# KiCad board mainPCB.kicad_pcb (continued)
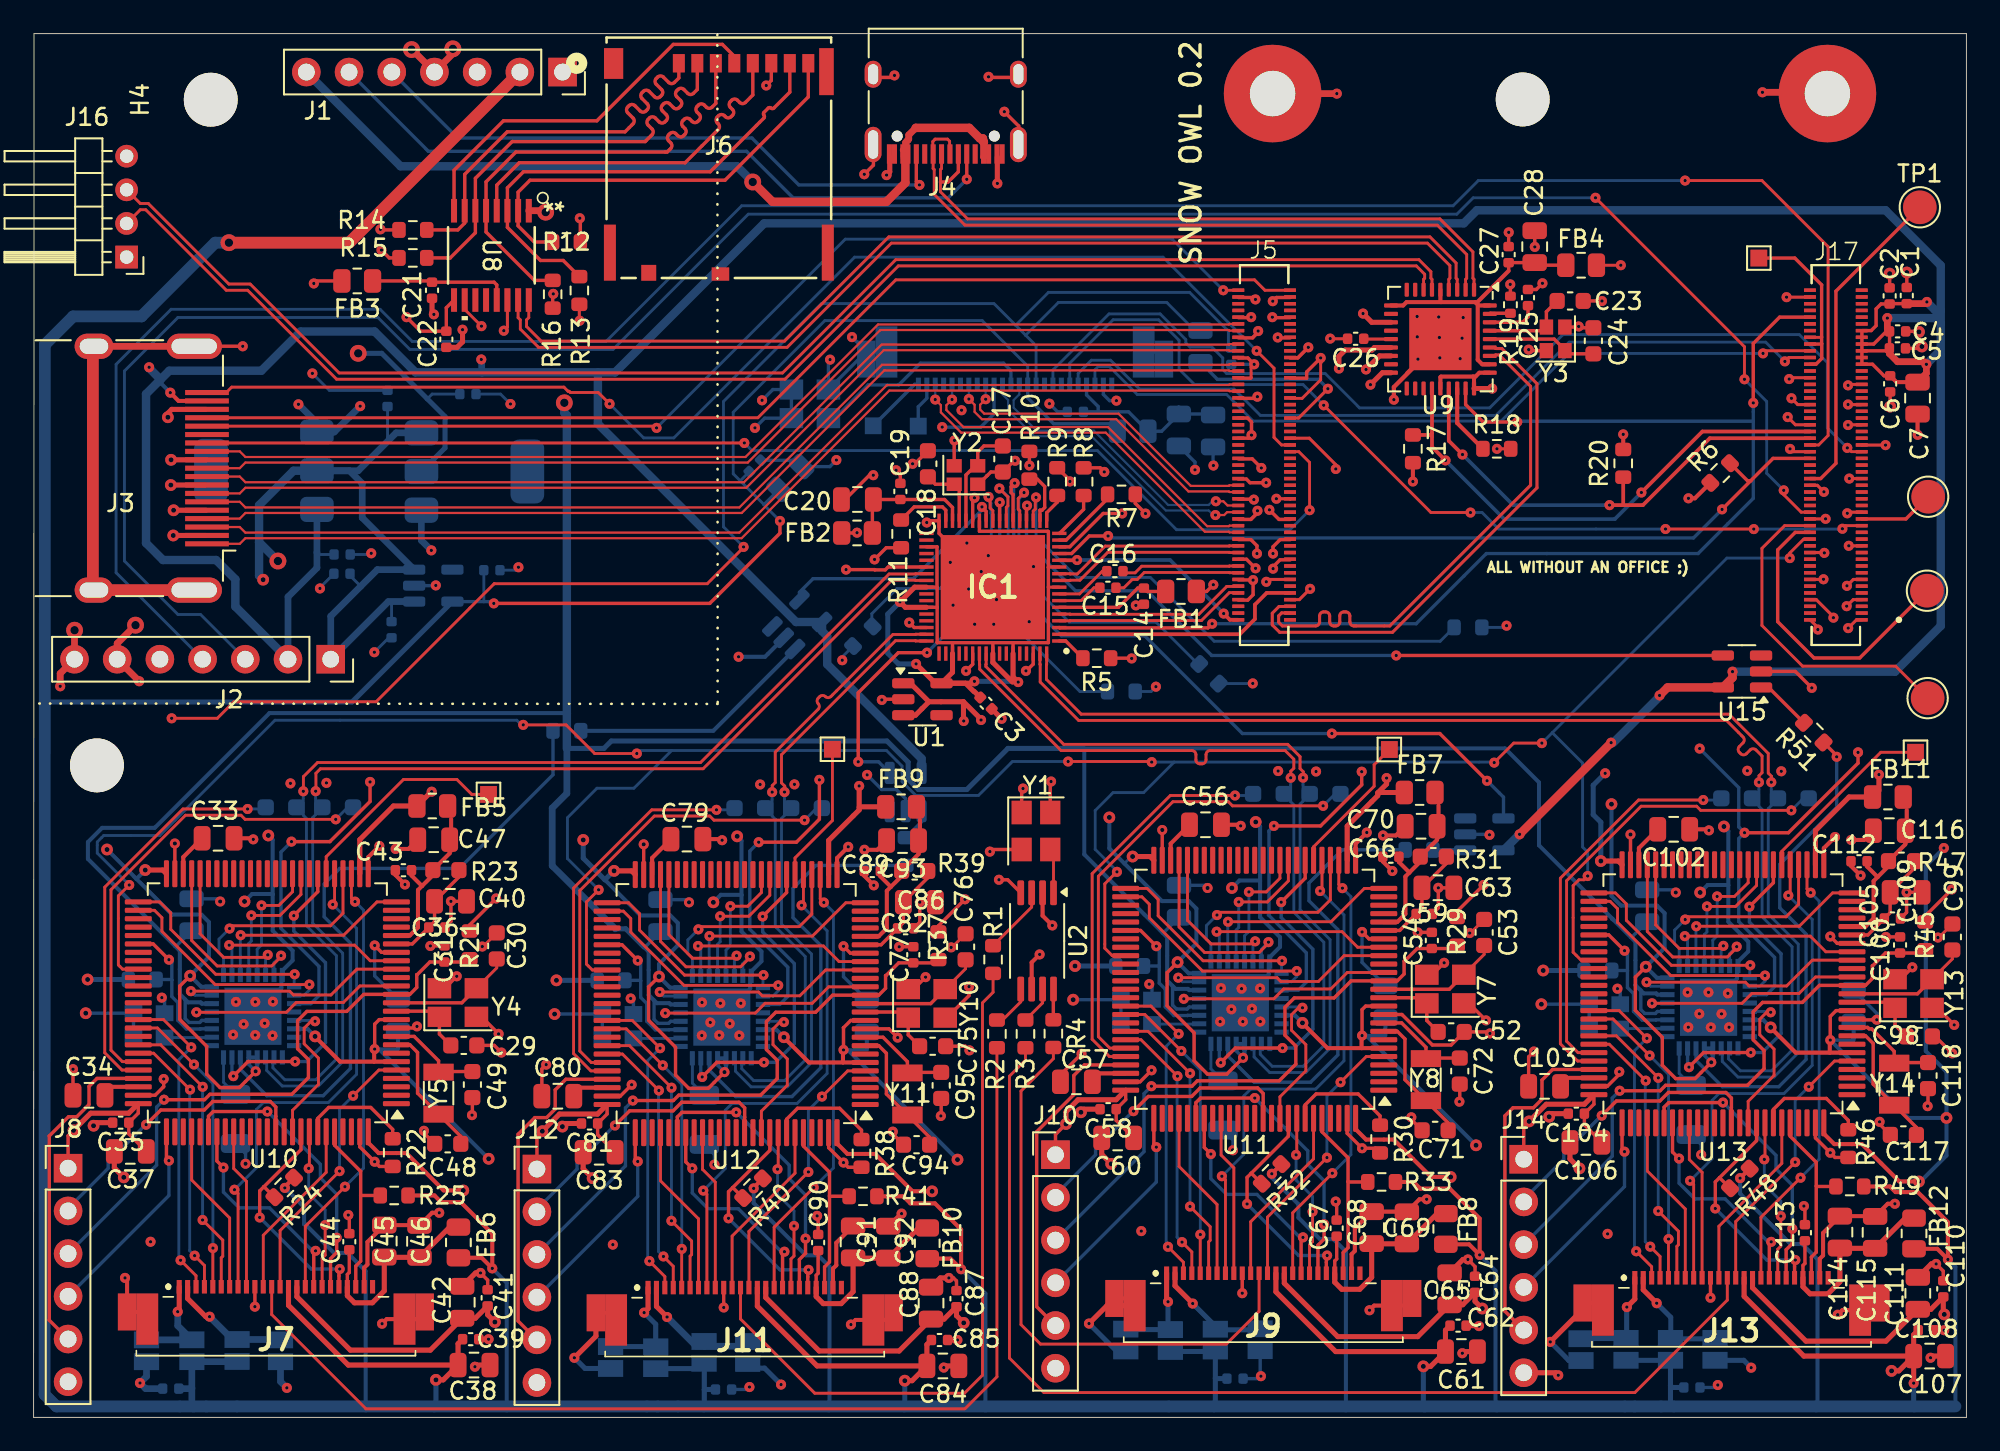
[diagram p0: board, top side]
## Routing (per net, layer and track width the routed paths; a pad name or vN(x,y) marks a point on that pad's centre or on a via; arc(x,y) is an arc through that point) (continued)
  B.Cu Signal w0.17: v1(104.54,36.11) 105.26,36.82 R56.1
/stm-camera3/cam_SCL: length 14.1
  F.Cu Signal w0.2: U13.92 102.48,16.46 100.27,14.25 ; 100.27,14.25 100.28,14.25 R48.2 ; 100.27,14.25 100.02,14 v1(100.02,12.42) ; J13.20 104.74,9.31 v1(104.78,9.36)
  B.Cu Signal w0.2: v1(100.02,12.42) 103.09,9.36 v1(104.78,9.36)
/stm-camera3/cam_SDA: length 11.2
  F.Cu Signal w0.2: R49.2 106.05,13.73 106.03,13.75 ; J13.22 105.74,9.53 106.03,9.83 106.03,13.75 ; 106.03,13.75 106.03,15.17 104.48,16.72 U13.96
/stm-camera3/HSYNC: length 26.3
  F.Cu Signal w0.17: J13.16 102.74,11.9 v1(105.09,14.25) ; v1(105.69,31.21) 105.48,31.42 U13.28
  B.Cu Signal w0.17: v1(105.09,14.25) 106.2,15.36 106.2,30.7 v1(105.69,31.21)
/stm-camera3/PCLK: length 30.6
  F.Cu Signal w0.17: v1(104.37,31.04) 104.48,31.15 U13.30 ; J13.8 98.74,13.86 v1(98.52,14.07)
  B.Cu Signal w0.17: v1(104.37,31.04) 105.78,29.62 105.78,20.94 104.1,19.26 100.24,19.26 99.83,18.85 99.83,15.38 v1(98.52,14.07)
/stm-camera3/PHY-RESETB: length 9.2
  F.Cu Signal w0.2: U13.56 93.69,28.69 v1(94.62,27.76)
  B.Cu Signal w0.2: IC5.27 96.49,23.64 96.48,23.63 95.67,23.63 95.16,24.14 95.16,25.2 94.8,25.56 94.8,26.55 ; 94.8,26.55 94.77,26.58 R50.1 ; 94.8,26.55 94.8,27.58 v1(94.62,27.76)
/stm-camera3/PWDN: length 12.9
  F.Cu Signal w0.2: U13.82 97.48,15.78 v1(97.87,15.39) ; J13.17 103.24,10.33 v1(103.35,10.44)
  B.Cu Signal w0.2: v1(97.87,15.39) 97.87,13.93 98.81,12.99 100.61,12.99 103.16,10.44 v1(103.35,10.44)
/stm-camera3/RST: length 16.8
  F.Cu Signal w0.2: J13.19 104.24,9.97 104.6,10.34 v1(104.6,11.22) ; v1(100.48,18.73) 97.25,18.73 96.98,18.45 U13.81
  B.Cu Signal w0.2: v1(100.48,18.73) 100.49,18.73 103.63,15.58 103.63,14.78 104.6,13.81 v1(104.6,11.22)
/stm-camera3/STM_RST: length 36.5
  F.Cu Signal w0.2: v1(94.33,19.43) 96.74,19.43 97.06,19.75 101.93,19.75 102.92,20.74 102.92,21.82 102.28,22.46 102.28,24.13 102.83,24.68 105.2,24.68 106.21,25.69 U13.14 108.95,25.69 109.36,26.1 109.36,26.86 109.39,26.86 110.14,27.62 C100.1 112.31,27.62 R45.2
  B.Cu Signal w0.2: v1(94.33,19.43) 93.89,18.99 93.89,15.54 J14.3
/stm-camera3/STMPHY_CLKOUT: length 12.9
  F.Cu Signal w0.17: v1(98.23,29.61) 98.39,29.77 104.23,29.77 104.98,30.52 U13.29
  B.Cu Signal w0.17: IC5.1 97.87,27.9 97.6,28.17 97.6,28.98 v1(98.23,29.61)
  B.Cu Signal w0.2: IC5.1 97.87,27.12
/stm-camera3/STMPHY_D0: length 12.5
  F.Cu Signal w0.17: v1(98.89,29.21) 105.01,29.21 107,31.19 U13.25
  F.Cu Signal w0.2: 98.94,29.26 v1(98.89,29.21)
  B.Cu Signal w0.17: IC5.3 98.87,29.19 v1(98.89,29.21)
/stm-camera3/STMPHY_D1: length 8.3
  F.Cu Signal w0.17: U13.34 102.48,31.64 101.23,30.39 v1(99.53,30.39)
  B.Cu Signal w0.17: v1(99.53,30.39) 99.53,28.87 99.37,28.72 IC5.4
/stm-camera3/STMPHY_D2: length 7.5
  F.Cu Signal w0.17: U13.35 101.98,31.8 101.16,30.99 v1(100.13,30.99)
  B.Cu Signal w0.17: v1(100.13,30.99) 100.13,28.64 99.87,28.38 IC5.5
/stm-camera3/STMPHY_D3: length 9.5
  F.Cu Signal w0.17: U13.46 96.48,29.29 97.88,27.89 100.35,27.89 v1(100.5,28.05)
  F.Cu Signal w0.2: 100.5,28.04 v1(100.5,28.05)
  B.Cu Signal w0.17: IC5.6 100.37,27.92 v1(100.5,28.05)
/stm-camera3/STMPHY_D4: length 11.5
  F.Cu Signal w0.17: v1(101.29,28) 101.29,27.94 100.74,27.38 97.49,27.38 95.98,28.9 U13.47
  B.Cu Signal w0.17: v1(101.29,28) 100.87,27.58 IC5.7
/stm-camera3/STMPHY_D5: length 12.7
  F.Cu Signal w0.17: v1(102.1,26.89) 97.41,26.89 94.73,29.56 94.73,30.54 94.08,31.19 U13.51
  B.Cu Signal w0.17: IC5.9 102.07,26.86 v1(102.1,26.89)
  B.Cu Signal w0.2: IC5.9 102.35,26.14
/stm-camera3/STMPHY_D6: length 14.1
  F.Cu Signal w0.17: U13.52 93.77,30.69 94.21,30.25 94.21,29.44 97.37,26.28 v1(102.98,26.28)
  B.Cu Signal w0.17: IC5.10 102.67,25.64 102.98,25.95 v1(102.98,26.28)
  B.Cu Signal w0.2: v1(102.98,26.28) 103.02,26.28 103.03,26.27 103.03,26.11
/stm-camera3/STMPHY_D7: length 9.2
  F.Cu Signal w0.17: U13.91 101.98,18.8 103.52,20.34 103.52,21.9 102.67,22.75 102.67,23.68 103.08,24.1 v1(103.31,24.1)
  B.Cu Signal w0.17: v1(103.31,24.1) 103.27,24.14 IC5.13
/stm-camera3/STMPHY_DIR: length 14.3
  F.Cu Signal w0.17: U13.17 105.8,27.19 104.26,25.66 102.03,25.66 101.81,25.88 v1(95.93,25.88)
  F.Cu Signal w0.2: v1(95.93,25.88) 95.95,25.88
  B.Cu Signal w0.17: IC5.31 96.17,25.64 v1(95.93,25.88)
/stm-camera3/STMPHY_NXT: length 12.2
  F.Cu Signal w0.17: v1(98.21,28.62) 105.67,28.62 106.6,27.69 U13.18
  B.Cu Signal w0.17: v1(98.21,28.62) 98.37,28.46 IC5.2
/stm-camera3/STMPHY_OP_ID: length 18.9
  F.Cu Signal w0.2: v1(98.46,20.83) 99.32,21.7 v1(102.13,21.7) ; U13.32 103.48,31.8 v1(102.05,30.38)
  B.Cu Signal w0.2: v1(102.13,21.7) 102.81,21.7 103.94,22.83 103.94,27.58 102.05,29.46 v1(102.05,30.38) ; IC5.23 98.37,20.91 v1(98.46,20.83)
/stm-camera3/STMPHY_STP: length 13.7
  F.Cu Signal w0.17: U13.15 105.98,26.19 105,25.21 102.2,25.21 101.61,24.63 v1(96.26,24.63)
  F.Cu Signal w0.2: 96.06,24.62 96.09,24.62 96.11,24.62 96.25,24.62 v1(96.26,24.63)
  B.Cu Signal w0.17: v1(96.26,24.63) 96.27,24.64 IC5.29
/stm-camera3/SWCLK: length 12.3
  F.Cu Signal w0.2: U13.76 94.48,15.95 v1(94.62,15.8)
  B.Cu Signal w0.2: J14.4 94.62,13.73 v1(94.62,15.8)
/stm-camera3/SWDIO: length 20.3
  F.Cu Signal w0.2: U13.72 90.35,20.69 89.71,20.06 89.71,18.93 89.2,18.42 87.99,18.42 87.51,17.93 87.51,6.31 J14.5
/stm-camera3/SWO: length 17
  F.Cu Signal w0.2: v1(93.27,17.94) 94.14,18.82 96.73,18.82 97.23,19.33 100.65,19.33 100.98,19 100.98,18.44 100.98,18.43 U13.89
  B.Cu Signal w0.2: v1(93.27,17.94) 93.24,17.94 91.01,15.71 91.01,15.35 88.63,12.97 J14.2
/stm-camera3/VSYNC: length 9.7
  F.Cu Signal w0.17: U13.93 102.98,15.38 v1(102.94,15.34) ; J13.18 103.74,10 103.92,10.18 v1(103.92,11.97)
  B.Cu Signal w0.17: v1(103.92,11.97) 103.92,12.86 102.94,13.84 v1(102.94,15.34)
/stm-camera3/Y0: length 17.3
  F.Cu Signal w0.17: v1(96.63,12.27) 97.83,11.07 97.83,10.26 97.74,10.17 J13.6 ; v1(96.63,20.19) 94.13,22.69 U13.68
  B.Cu Signal w0.17: v1(96.63,12.27) 96.63,20.19 v1(96.63,20.19)
/stm-camera3/Y1: length 16.2
  F.Cu Signal w0.17: v1(95.88,20.03) 93.71,22.19 U13.69 ; J13.4 96.74,9.57 v1(96.15,10.15)
  B.Cu Signal w0.17: v1(96.15,10.15) 95.86,10.45 95.86,20 v1(95.88,20.03)
  B.Cu Signal w0.2: 95.96,19.95 v1(95.88,20.03)
/stm-camera3/Y2: length 18.9
  F.Cu Signal w0.17: v1(95.95,22.54) 94.3,24.19 U13.65 ; J13.3 96.24,8.96 v1(95.32,9.88)
  B.Cu Signal w0.17: v1(95.32,9.88) 95.21,9.98 95.21,21.8 v1(95.95,22.54)
  B.Cu Signal w0.2: v1(95.95,22.54) 96.02,22.48 96.02,22.47
/stm-camera3/Y3: length 18
  F.Cu Signal w0.17: v1(96.11,21.52) 93.94,23.69 U13.66 ; v1(97.24,10.6) 97.24,10.6 J13.5
  B.Cu Signal w0.17: v1(96.11,21.52) 97.24,20.39 v1(97.24,10.6)
  B.Cu Signal w0.2: 96.19,21.52 v1(96.11,21.52)
/stm-camera3/Y4: length 10.2
  F.Cu Signal w0.17: U13.79 95.98,14.65 98.24,12.4 J13.7
/stm-camera3/Y5: length 9.5
  F.Cu Signal w0.17: J13.9 99.24,14.58 98.48,15.33 U13.84
/stm-camera3/Y6: length 10.8
  F.Cu Signal w0.17: J13.11 100.24,11.37 103.98,15.11 U13.95
/stm-camera3/Y7: length 16.4
  F.Cu Signal w0.17: v1(105.58,19.67) 107.11,21.19 U13.5 ; J13.13 101.24,11.65 v1(104.77,15.18)
  F.Cu Signal w0.2: 104.77,15.15 v1(104.77,15.18)
  B.Cu Signal w0.17: v1(104.77,15.18) 104.77,18.86 v1(105.58,19.67)
/USB3_D+: length 85.7
  F.Cu Signal w0.17: U9.7 82.67,67.69 82.73,67.76 82.73,67.99 82.24,68.49 51.43,68.49 44.69,61.75 18.02,61.75 12.73,67.04 11.46,67.04 6.67,71.83 6.34,71.83 J16.2
/USB3_D-: length 86.3
  F.Cu Signal w0.17: J16.3 6.34,72.2 6.82,72.2 11.61,67.41 12.88,67.41 18.17,62.12 44.54,62.12 51.28,68.86 82.39,68.86 83.11,68.15 83.11,67.76 83.17,67.69 U9.6
/USB3_SD_D+: length 62.1
  F.Cu Signal w0.17: U8.15 28.81,65.41 28.95,65.28 28.95,64.73 30.03,63.64 44.82,63.64 51.02,69.84 82.9,69.84 84.23,68.51 84.23,67.76 84.17,67.69 U9.4
/USB3_SD_D-: length 62.1
  F.Cu Signal w0.17: U8.16 29.45,65.41 29.32,65.28 29.32,64.88 30.19,64.02 44.66,64.02 50.86,70.22 83.05,70.22 84.61,68.66 84.61,67.76 84.67,67.69 U9.3
/USB_HUB_SCL: length 29.5
  F.Cu Signal w0.22: U9.24 84.17,58.09 v1(84.98,57.27) ; 105.66,58.24 99.69,58.24 95.72,54.26 94.56,54.26 ; 94.56,54.26 v1(93.73,54.26) ; 94.56,54.26 94.54,54.28 R20.1
  B.Cu Signal w0.22: v1(84.98,57.27) 88,54.26 v1(93.73,54.26)
/USB_HUB_SDA: length 31.1
  F.Cu Signal w0.22: 83.17,58.52 83.17,57.73 v1(83.97,56.92) ; 83.17,58.52 U9.22 ; 83.17,58.52 83.08,58.43 R17.1 ; v1(95.62,55.01) 99.25,58.64 105.66,58.64
  B.Cu Signal w0.22: v1(95.62,55.01) 94.04,53.43 87.47,53.43 v1(83.97,56.92)
/USB_HUB_UP_D+: length 31.3
  F.Cu Signal w0.18: 74.74,48.24 74.49,48.24 74.48,48.23 74.07,48.23 73.67,47.83 73.67,47.14 74.11,46.7 80.82,46.7 89.42,55.29 89.42,61.48 87.32,63.57 86.95,63.57 86.89,63.63 U9.31
/USB_HUB_UP_D-: length 31.3
  F.Cu Signal w0.18: U9.30 86.89,63.13 86.95,63.2 87.17,63.2 89.03,61.33 89.03,55.45 80.66,47.08 78.53,47.08 arc(78.36,47.15) 78.29,47.31 78.29,47.67 arc(78.21,47.84) 78.05,47.91 77.93,47.91 arc(77.76,47.84) 77.69,47.67 77.69,47.31 arc(77.61,47.15) 77.45,47.08 77.33,47.08 arc(77.16,47.15) 77.09,47.31 77.09,47.67 arc(77.01,47.84) 76.85,47.91 76.73,47.91 arc(76.56,47.84) 76.49,47.67 76.49,47.31 arc(76.41,47.15) 76.25,47.08 74.27,47.08 74.05,47.3 74.05,47.67 74.23,47.85 74.48,47.85 74.49,47.84 74.74,47.84
/USBC-CC1: length 41.8
  F.Cu Signal w0.2: J4.A5 v1(55.5,73.64)
  B.Cu Signal w0.2: J1.6 23.48,75.31 42.41,75.31 45.17,72.54 54.4,72.54 v1(55.5,73.64)
/USBC-CC2: length 36.1
  F.Cu Signal w0.2: J4.B5 52.5,73.49 v1(52.69,73.31)
  B.Cu Signal w0.2: J1.5 25.23,76.09 42.72,76.09 45.52,73.31 v1(52.69,73.31)
/USBC-VBUS: length 48.3
  F.Cu Signal w0.3: 51.72,74.95 51.72,75.38
  F.Cu Signal w0.4: 56.52,74.95 56.5,74.97 56.5,75.81 56.52,75.83 ; 52.46,76.69 52.05,76.28 52.05,76.03 51.99,75.97 51.99,75.95 51.86,75.83 51.86,75.53 51.72,75.38
  F.Cu Signal w0.5: 51.85,75 51.85,73.43 50.72,72.3 43.95,72.3 v2(42.77,73.48) ; 52.46,76.69 52.47,76.7 55.65,76.7 56.28,76.07 56.46,76.07 56.46,75.93 56.5,75.89 56.5,75.85 56.52,75.83
  B.Cu Signal w0.5: J1.7 21.83,74.41 41.84,74.41 v2(42.77,73.48)
/USBC_D+: length 40.5
  F.Cu Signal w0.17: 54.48,75.07 54.48,75.91 54.36,76.03 53.61,76.03 53.61,76.02 53.48,75.88 53.48,75.07 ; J4.B6 53.5,74.28 53.56,74.22 53.56,72.74 55.39,70.91 83.49,70.91 85.23,69.17 85.23,67.76 85.17,67.69 U9.2
/USBC_D-: length 40.1
  F.Cu Signal w0.17: U9.1 85.67,67.69 85.61,67.76 85.61,69.32 83.64,71.28 55.55,71.28 53.94,72.9 53.94,74.22 54,74.28 J4.A7
  F.Cu Signal w0.2: 53.94,73.48 54.39,73.48 55,74.09 J4.B7
GPIO_Cam_Trigger: length 174.9
  F.Cu Signal w0.17: v1(86.87,38.95) 88.03,40.1 v1(89.7,40.11) ; v1(29.12,41.19) 31.67,41.19 33.37,39.48 v1(35.88,39.48) ; v1(61.53,39.01) 66.47,39.01 v1(66.5,38.97) ; 64.44,32.45 v1(64.43,32.45) 64.22,32.24 64.22,32.24 63.71,31.73 63.71,27.91 64.15,27.46 U11.59 ; 105.65,52.24 105.28,52.24 104.45,51.41 v1(104.45,51.11) ; U13.59 92.04,27.19 91.56,27.66 91.56,31.63 91.91,31.97 92.2,31.97 v1(92.43,32.2) ; v1(5.69,31.66) 5.04,31.02 5.04,26.91 5.29,26.66 6.23,26.66 ; v1(33.61,31.38) 32.88,30.66 32.88,26.96 33.23,26.61 U12.59
  B.Cu Signal w0.17: 90.32,40.73 v1(89.7,40.11) ; 90.32,40.73 100.71,51.11 v1(104.45,51.11) ; 90.32,40.73 92.13,38.92 92.13,33.92 92.43,33.62 v1(92.43,32.2) ; v1(29.12,41.19) 29.01,41.19 28.73,41.47 14.36,41.47 7.5,34.61 4.17,34.61 3.79,34.22 3.79,33.56 v1(5.69,31.66) ; v1(86.87,38.95) 86.84,38.97 67.84,38.97 ; 37.95,39.66 36.06,39.66 v1(35.88,39.48) ; 37.95,39.66 50.72,39.66 51.65,38.74 51.65,37.81 52.47,36.99 56.2,36.99 58.22,39.01 v1(61.53,39.01) ; 37.95,39.66 35.7,37.42 33.5,37.42 31.75,35.66 31.75,33.23 v1(33.61,31.38) ; 67.84,38.97 66.02,37.16 64.2,37.16 63.14,36.1 63.14,33.78 64.43,32.49 v1(64.43,32.45) ; 67.84,38.97 v1(66.5,38.97)
Net-(C27-Pad2): length 17.6
  F.Cu Signal w0.2: 85.95,66.13 85.89,66.19 ; 87.73,68.19 C27.2 87.73,68.69 C28.2 89.44,68.53 FB4.1 ; 83.67,66.36 83.7,66.34
  F.Cu Signal w0.24: U9.36 85.95,66.13 ; U9.29 86.16,62.63 85.89,62.91 85.89,66.19 85.81,66.28 ; U9.10 81.45,66.13 81.66,66.34 85.75,66.34 85.81,66.28 ; U9.5 83.67,66.36 ; 85.81,66.28 87.73,68.19
Net-(C33-Pad2): length 2.6
  F.Cu Signal w0.24: U10.48 8.9,33.33 C33.2
Net-(C34-Pad2): length 2.3
  F.Cu Signal w0.24: 4.14,19.17 4.64,19.66 6.23,19.66
Net-(C44-Pad1): length 12.6
  F.Cu Signal w0.2: C44.1 18.77,8.62 18.66,8.5 J7.21
  F.Cu Signal w0.3: J7.21 18.66,7.24 19.08,6.81 20.15,6.81 20.86,7.52 C45.1 20.87,9.52 22.95,9.52 24.75,11.32 FB6.2
Net-(C56-Pad2): length 2.6
  F.Cu Signal w0.24: C56.2 67.63,34.13 U11.48
Net-(C57-Pad2): length 2.3
  F.Cu Signal w0.24: U11.73 63.37,20.46 62.87,19.97
Net-(C67-Pad1): length 12.6
  F.Cu Signal w0.2: C67.1 77.5,9.42 77.39,9.31 J9.21
  F.Cu Signal w0.3: FB8.2 83.47,12.12 C69.1 79.6,10.32 C68.1 79.58,8.33 78.87,7.62 77.81,7.62 77.39,8.04 J9.21
Net-(C79-Pad2): length 2.6
  F.Cu Signal w0.24: U12.48 36.78,33.27 C79.2
Net-(C80-Pad2): length 2.3
  F.Cu Signal w0.24: 32.03,19.12 32.52,19.61 U12.73
Net-(C90-Pad1): length 12.6
  F.Cu Signal w0.2: C90.1 46.66,8.57 46.54,8.45 J11.21
  F.Cu Signal w0.3: J11.21 46.54,7.19 46.97,6.76 48.03,6.76 48.74,7.47 C91.1 48.75,9.47 C92.1 52.63,11.27 FB10.2
Net-(C102-Pad2): length 2.6
  F.Cu Signal w0.24: C102.2 95.48,33.86 U13.48
Net-(C103-Pad2): length 2.3
  F.Cu Signal w0.24: 90.72,19.7 91.21,20.19 U13.73
Net-(C113-Pad1): length 12.6
  F.Cu Signal w0.2: J13.21 105.24,9.04 105.35,9.15 C113.1
  F.Cu Signal w0.3: J13.21 105.24,7.77 105.66,7.35 106.72,7.35 107.43,8.06 C114.1 107.45,10.05 C115.1 111.32,11.85 FB12.2
Net-(IC1-AVDD33_1): length 7
  F.Cu Signal w0.2: C14.2 66.23,49.12 FB1.2 ; C14.2 65.67,49.33 64.52,48.18 IC1.6 ; C14.2 65.92,49.33
Net-(IC1-AVDD33_2): length 7.6
  F.Cu Signal w0.2: FB2.2 49.89,54.32 50.17,54.59 C19.2 54.18,54.59 54.65,54.12 IC1.32
Net-(IC1-OCI1B): length 13.5
  F.Cu Signal w0.17: v1(56.8,54.75) 56.89,54.66 56.89,54.09 57.05,53.92 IC1.26
  B.Cu Signal w0.17: 49.85,47.27 49.85,47.8 51.34,49.3 53.91,49.3 56.96,52.35 56.96,53.75 56.94,53.77 56.94,54.38 56.8,54.52 v1(56.8,54.75)
Net-(IC1-OCI2B): length 17.9
  F.Cu Signal w0.17: v1(57.44,55.25) 57.95,54.74 57.95,54.22 57.85,54.13 IC1.24
  B.Cu Signal w0.17: v1(57.44,55.25) 57.47,55.25 57.96,54.77 57.96,47.45 62.23,43.17 R63.2
Net-(IC1-OCI3B): length 19.7
  F.Cu Signal w0.17: v1(58.91,55) 58.56,54.66 58.56,54.02 58.65,53.93 IC1.22
  B.Cu Signal w0.17: 58.91,54.98 v1(58.91,55) 58.91,54.93 58.6,54.62 58.6,50.3 61.59,47.3 66.75,47.3 69.24,44.81 R62.2
Net-(IC1-OCI4B): length 31.6
  F.Cu Signal w0.17: IC1.20 59.45,53.91 59.57,54.03 59.57,54.67 v1(59.62,54.72)
  B.Cu Signal w0.17: v1(59.62,54.72) 59.62,52.4 62.06,49.96 66.42,49.96 70.22,46.16 83.66,46.16 R61.2
Net-(IC1-PETXN): length 3.4
  F.Cu Signal w0.17: 61,48.98 62.21,48.98 63.56,50.33 C16.1
Net-(IC1-PETXP): length 2.8
  F.Cu Signal w0.17: IC1.7 62.3,48.58 63.06,49.34 63.42,49.34
  F.Cu Signal w0.2: 63.3,49.34 63.42,49.34
Net-(IC1-PPON1): length 14.4
  F.Cu Signal w0.2: v1(56.4,54.15) 56.4,54.14 56.65,53.89 IC1.27
  B.Cu Signal w0.2: v1(56.4,54.15) 56.4,53.97 52.31,49.88 46.36,49.88 45.55,49.08 U16.4
Net-(IC1-PPON2): length 23.2
  F.Cu Signal w0.2: IC1.25 57.45,54.18 57.37,54.26 57.37,54.34 v1(57.46,54.42) ; v1(49.05,38.99) 49.05,43.1 51.43,45.48 v1(53.14,45.48)
  B.Cu Signal w0.2: v1(49.05,38.99) 50.25,38.99 U7.4 ; v1(57.46,54.42) 57.46,49.81 v1(53.14,45.48)
Net-(IC1-PPON3): length 44.2
  F.Cu Signal w0.2: v1(86.45,37.86) 83.64,40.67 v1(77.22,40.67) ; v1(58.35,55.57) 58.14,55.36 58.14,55 58.25,54.89 IC1.23
  B.Cu Signal w0.2: U14.4 87.42,36.89 86.45,37.86 v1(86.45,37.86) ; v1(77.22,40.67) 71.89,40.67 66.09,46.48 61.13,46.48 58.3,49.32 58.3,53.98 58.28,53.99 58.28,55.5 58.35,55.57 v1(58.35,55.57)
Net-(IC1-PPON4): length 47.3
  F.Cu Signal w0.2: U15.4 v1(81.04,45.32) ; v1(59.09,54.23) 59.05,54.23 59.05,54.23 IC1.21
  B.Cu Signal w0.2: v1(81.04,45.32) 70.07,45.32 66.22,49.16 61.97,49.16 59.05,52.08 59.05,54.2 v1(59.09,54.23)
Net-(IC1-RREF): length 3.7
  F.Cu Signal w0.2: IC1.33 54.25,53.95 54.05,54.16 52.38,54.16 R11.1
Net-(IC1-SMIB): length 1.8
  F.Cu Signal w0.2: IC1.1 61.38,46.18 R5.2
Net-(IC1-SPICSB): length 2.9
  F.Cu Signal w0.2: R8.2 62.45,54.01 61.02,52.58 IC1.17
Net-(IC1-SPISCK): length 1.8
  F.Cu Signal w0.2: R9.2 60.88,54.43 60.25,53.81 IC1.18
Net-(IC1-SPISI): length 3.4
  F.Cu Signal w0.2: IC1.19 59.85,53.95 59.85,53.96 59.98,53.96 60.14,54.12 60.14,55.37 59.7,55.8 R10.2 ; 59.26,55.66 59.29,55.62
Net-(IC1-SPISO): length 4.1
  F.Cu Signal w0.2: IC1.16 61.41,52.18 63.88,54.64 R7.2
Net-(IC1-XT1): length 4
  F.Cu Signal w0.2: IC1.31 55.05,55.2 Y2.1 53.63,55.5 C18.2
Net-(IC1-XT2): length 6.1
  F.Cu Signal w0.2: C17.2 56.52,57.78 56.15,57.41 Y2.3 56,56.6 55.45,56.05 IC1.30
Net-(IC2-RBIAS): length 2.5
  B.Cu Signal w0.17: R28.1 11.3,19.93 11.3,21.41
Net-(IC2-REFCLK): length 2.8
  B.Cu Signal w0.17: 10.59,22.61 10.58,22.59 Y6.3
Net-(IC2-VBUS): length 39.1
  B.Cu Signal w0.2: 12.3,21.41 12.3,20.7 13.87,19.13 17.22,19.13 18.84,20.76 18.84,28.21 17.28,29.78 17.28,31.72 18.21,32.65 25.32,32.65 30.89,38.22 R27.1
Net-(IC3-RBIAS): length 2.5
  B.Cu Signal w0.17: IC3.24 70.02,20.73 R36.1
Net-(IC3-REFCLK): length 2.8
  B.Cu Signal w0.17: Y9.3 69.3,23.39 IC3.26
Net-(IC3-VBUS): length 26.1
  B.Cu Signal w0.2: IC3.22 71.02,21.51 72.6,19.93 75.95,19.93 77.57,21.56 77.57,29.01 75.86,30.73 75.86,31.78 77.83,33.75 R35.1
Net-(IC4-RBIAS): length 2.5
  B.Cu Signal w0.17: IC4.24 39.18,19.88 R44.1
Net-(IC4-REFCLK): length 2.8
  B.Cu Signal w0.17: 35.67,22.54 38.46,22.54 IC4.26
Net-(IC4-VBUS): length 27.3
  B.Cu Signal w0.2: R43.1 46.53,32.83 45.16,31.46 45.16,29.73 46.82,28.07 46.82,20.8 45.1,19.08 41.75,19.08 40.18,20.65 IC4.22
Net-(IC5-RBIAS): length 2.5
  B.Cu Signal w0.17: R52.1 97.87,20.46 IC5.24
Net-(IC5-REFCLK): length 2.8
  B.Cu Signal w0.17: Y15.3 97.15,23.12 IC5.26
Net-(IC5-VBUS): length 29.8
  F.Cu Signal w0.2: v1(107.24,39.29) 107.24,39.36 R51.1
  B.Cu Signal w0.2: v1(107.24,39.29) 107.24,36.28 103.85,32.89 103.85,30.31 105.42,28.75 105.42,21.29 103.79,19.67 100.44,19.67 98.87,21.24 IC5.22
Net-(J6-CD/DAT3): length 27.3
  F.Cu Signal w0.2: R15.1 24.78,68.97 26.27,70.46 U8.6 26.27,73.7 28.46,75.88 36.38,75.88 36.78,76.29 arc(36.85,76.46) 36.78,76.63 36.55,76.86 arc(36.48,77.03) 36.55,77.2 36.63,77.29 arc(36.8,77.36) 36.97,77.29 37.21,77.06 arc(37.38,76.99) 37.55,77.06 37.63,77.14 arc(37.7,77.31) 37.63,77.48 37.4,77.71 arc(37.33,77.88) 37.4,78.05 37.48,78.14 arc(37.65,78.21) 37.82,78.14 38.05,77.9 arc(38.22,77.83) 38.39,77.9 38.48,77.99 arc(38.55,78.16) 38.48,78.33 38.25,78.56 arc(38.18,78.73) 38.25,78.9 38.33,78.99 arc(38.5,79.06) 38.67,78.99 38.9,78.75 arc(39.07,78.68) 39.24,78.75 39.47,78.98 J6.2
Net-(J6-CLK): length 22.5
  F.Cu Signal w0.2: U8.4 27.55,73.29 28.88,74.62 38.75,74.62 40.72,76.6 arc(40.79,76.77) 40.72,76.94 40.66,77 arc(40.59,77.17) 40.66,77.34 40.74,77.43 arc(40.91,77.5) 41.08,77.43 41.14,77.36 arc(41.31,77.29) 41.48,77.36 41.57,77.45 arc(41.64,77.62) 41.57,77.79 41.44,77.92 arc(41.37,78.09) 41.44,78.26 41.52,78.34 arc(41.69,78.41) 41.86,78.34 41.99,78.21 arc(42.16,78.14) 42.33,78.21 42.78,78.66 J6.5
Net-(J6-CMD): length 28.8
  F.Cu Signal w0.2: 40.58,80.54 40.58,78.16 40.35,77.93 arc(40.18,77.86) 40.01,77.93 39.88,78.06 arc(39.71,78.13) 39.55,78.06 39.46,77.97 arc(39.39,77.8) 39.46,77.63 39.59,77.51 arc(39.66,77.34) 39.59,77.17 39.5,77.08 arc(39.33,77.01) 39.16,77.08 39.04,77.21 arc(38.87,77.28) 38.7,77.21 38.61,77.13 arc(38.54,76.96) 38.61,76.79 38.74,76.66 arc(38.81,76.49) 38.74,76.32 38.65,76.23 arc(38.48,76.16) 38.31,76.23 38.19,76.36 arc(38.02,76.43) 37.85,76.36 37.76,76.28 arc(37.69,76.11) 37.76,75.94 37.89,75.81 arc(37.96,75.64) 37.89,75.47 37.68,75.26 28.68,75.26 26.91,73.49 U8.5 26.91,70.5 29.79,67.63 R16.1
Net-(J6-DA0): length 29
  F.Cu Signal w0.2: J6.7 44.98,78.83 44.03,77.88 arc(43.94,77.84) 43.86,77.88 arc(43.78,77.91) 43.7,77.88 43.44,77.62 arc(43.4,77.53) 43.44,77.45 arc(43.47,77.37) 43.44,77.29 40.24,74.09 29.13,74.09 28.18,73.13 U8.3 28.18,70.78 30.15,68.81 31.5,68.81 R13.1
Net-(J6-DAT1): length 26.1
  F.Cu Signal w0.2: 46.08,80.54 46.08,78.54 41.12,73.59 29.52,73.59 28.81,72.88 U8.2 28.81,70.87 29.77,69.91 R12.1
Net-(J6-DAT2): length 25.7
  F.Cu Signal w0.2: R14.1 25.23,70.63 25.64,71.04 U8.7 25.64,73.94 28.17,76.47 35.17,76.47 35.65,76.94 arc(35.72,77.11) 35.65,77.28 35.33,77.6 arc(35.26,77.77) 35.33,77.94 35.42,78.02 arc(35.59,78.09) 35.76,78.02 36.08,77.7 arc(36.25,77.63) 36.41,77.7 36.5,77.79 arc(36.57,77.96) 36.5,78.13 36.18,78.45 arc(36.11,78.62) 36.18,78.79 36.27,78.87 arc(36.44,78.94) 36.61,78.87 36.92,78.55 arc(37.09,78.48) 37.26,78.55 37.35,78.64 arc(37.42,78.81) 37.35,78.98 37.03,79.3 arc(36.96,79.47) 37.03,79.64 37.11,79.72 arc(37.28,79.79) 37.45,79.72 37.77,79.4 arc(37.94,79.33) 38.11,79.4 38.38,79.66 J6.1
Net-(J6-VDD): length 22.9
  F.Cu Signal w0.2: J6.4 41.68,80.95 40.97,81.66 38.05,81.66 33.5,77.12 27.95,77.12 25.01,74.18 U8.8
Net-(JP1-A): length 7.2
  F.Cu Signal w0.3: v1(10.47,5.99) 10.24,5.99 9.16,7.07 J7.2
  B.Cu Signal w0.2: 14.66,4.63 14.69,4.61 ; 12.1,4.63 11.83,4.63
  B.Cu Signal w0.4: 11.83,4.63 v1(10.47,5.99) ; 12.1,4.63 14.66,4.63
Net-(JP2-A): length 6.9
  F.Cu Signal w0.3: J9.2 67.89,7.82 v1(68.94,6.77)
  B.Cu Signal w0.3: 72.99,5.21 70.5,5.21 v1(68.94,6.77)
Net-(JP3-A): length 7.6
  F.Cu Signal w0.3: v1(37.67,5.97) 37.04,6.6 J11.2
  B.Cu Signal w0.4: 42.5,4.23 39.91,4.23 39.89,4.24 39.4,4.24 v1(37.67,5.97)
Net-(JP4-A): length 7
  F.Cu Signal w0.3: J13.2 95.74,7.59 v1(96.53,6.79)
  B.Cu Signal w0.3: 100.06,4.65 100.03,4.67 97.37,4.67 97.37,5.95 v1(96.53,6.79)
Net-(U2-1Y0): length 4.1
  F.Cu Signal w0.17: U2.3 59.36,30.35 R1.1
Net-(U2-1Y1): length 2.8
  F.Cu Signal w0.17: U2.5 58.71,24.71 57.63,23.63 R2.1
  F.Cu Signal w0.2: 57.52,23.63 R2.1
Net-(U2-1Y2): length 2.3
  F.Cu Signal w0.17: R3.1 60.01,24.65 U2.7
Net-(U2-1Y3): length 1.8
  F.Cu Signal w0.2: 60.66,23.66 R4.1 60.65,25.47 U2.8
Net-(U2-CLKIN): length 2.7
  F.Cu Signal w0.17: Y1.3 60.66,33.58 U2.1
Net-(U3A-GPIO_VREF): length 11
  F.Cu Signal w0.17: 106.34,64.25 106.34,64.24 U3.86
  F.Cu Signal w0.2: U3.78 106.01,62.64 106.35,62.98 106.35,63.87 106.34,63.87 106.34,67.36 104.75,68.95 TP11.1 ; 105.65,63.84 106.32,63.84
Net-(U8-VDDA): length 8.4
  F.Cu Signal w0.2: U8.13 27.55,67.36 27.38,67.52 C21.1 23.67,67.52 23.59,67.59 FB3.1
Net-(U9-CRFILT): length 1.6
  F.Cu Signal w0.18: C26.1 79.13,64.13 U9.14
Net-(U9-HS_IND/CFG_SEL1): length 4.2
  F.Cu Signal w0.24: U9.25 84.67,59.14 R18.1
Net-(U9-PLLFILT): length 3.1
  F.Cu Signal w0.2: C25.1 88.88,65.45 88.56,65.13 U9.34
Net-(U9-RBIAS): length 1.2
  F.Cu Signal w0.2: R19.2 86.64,65.67 U9.35
Net-(U9-XTALIN/CLKIN): length 5.3
  F.Cu Signal w0.2: 90.66,66.36 C23.2 89.97,65.77 Y3.3 89.76,64.63 U9.33
Net-(U9-XTALOUT): length 6.6
  F.Cu Signal w0.2: C24.2 91.27,63.26 Y3.1 91.08,63.5 90.44,64.13 U9.32
Net-(U10-BOOT0): length 6.6
  F.Cu Signal w0.2: U10.94 16.9,17.78 17.55,18.43 20.05,18.43 21.36,17.13 R22.1
Net-(U10-PA7): length 12.9
  F.Cu Signal w0.17: TP7.1 26.06,37.05 25.18,37.94 22,37.94 17.4,33.34 U10.31
Net-(U10-PC14): length 7.9
  F.Cu Signal w0.2: C48.1 25.41,16.71 Y5.2 22.84,19.28 22.84,21.7 22.38,22.16 21.58,22.16
Net-(U10-PC15): length 5.9
  F.Cu Signal w0.2: 21.58,22.66 22.63,22.66 24.09,21.21 Y5.1 24.12,20.57 C49.1 26.06,20.6
Net-(U10-PH0): length 4.7
  F.Cu Signal w0.2: 21.58,24.16 23.8,24.16 Y4.1 24.13,22.8 C29.2
Net-(U10-PH1): length 7.5
  F.Cu Signal w0.17: C30.2 27.55,26.73 Y4.3
  F.Cu Signal w0.2: 21.58,24.66 25.47,24.66 Y4.3 26.43,25.62
Net-(U10-VDDA): length 10.7
  F.Cu Signal w0.24: 23.1,31.6 23.74,32.25 R23.1 24.74,33.55 C47.1 24.62,34.48 ; 23.1,31.6 22.86,31.36 22.86,29.15 22.37,28.66 21.58,28.66 ; 23.1,31.6 22.48,32.23 C43.1 ; 24.83,35.59 24.83,33.7
Net-(U10-VREF+): length 7
  F.Cu Signal w0.2: C40.2 25.29,32.14 R23.2 ; C40.2 23.84,29.48 C36.2 22.52,28.16 21.58,28.16 ; C40.2 23.5,30.35
Net-(U11-BOOT0): length 6.6
  F.Cu Signal w0.2: U11.94 75.63,18.59 76.28,19.24 78.78,19.24 80.08,17.93 R30.1
Net-(U11-PA7): length 8.5
  F.Cu Signal w0.17: U11.31 76.13,33.94 79.73,37.54 79.73,38.82 TP8.1
Net-(U11-PC14): length 7.9
  F.Cu Signal w0.2: C71.1 84.13,17.52 Y8.2 81.56,20.09 81.56,22.51 81.11,22.96 U11.8
Net-(U11-PC15): length 5.9
  F.Cu Signal w0.2: 84.79,21.41 C72.1 82.85,21.37 Y8.1 82.81,22.01 81.36,23.46 U11.9
Net-(U11-PH0): length 4.7
  F.Cu Signal w0.2: U11.12 82.53,24.96 Y7.1 82.86,23.6 C52.2
Net-(U11-PH1): length 7.5
  F.Cu Signal w0.17: Y7.3 86.27,27.54 C53.2
  F.Cu Signal w0.2: 85.15,26.42 Y7.3 84.2,25.46 U11.13
Net-(U11-VDDA): length 10.7
  F.Cu Signal w0.24: 81.83,32.41 82.47,33.05 R31.1 83.47,34.35 C70.1 83.35,35.28 ; 81.83,32.41 81.2,33.03 C66.1 ; 81.83,32.41 81.59,32.17 81.59,29.95 81.1,29.46 U11.21 ; 83.56,36.39 83.56,34.51
Net-(U11-VREF+): length 7
  F.Cu Signal w0.2: C63.2 84.02,32.95 R31.2 ; C63.2 82.57,30.29 C59.2 81.25,28.96 U11.20 ; C63.2 82.23,31.15
Net-(U12-BOOT0): length 6.6
  F.Cu Signal w0.2: U12.94 44.78,17.73 45.44,18.38 47.94,18.38 49.24,17.08 R38.1
Net-(U12-PA7): length 8.4
  F.Cu Signal w0.17: U12.31 45.28,33.27 47.51,35.5 TP9.1
Net-(U12-PC14): length 7.9
  F.Cu Signal w0.2: 49.46,22.11 50.27,22.11 50.72,21.65 50.72,19.23 Y11.2 53.29,16.66 C94.1
Net-(U12-PC15): length 5.9
  F.Cu Signal w0.2: 53.95,20.55 C95.1 52,20.52 Y11.1 51.97,21.16 50.52,22.61 49.46,22.61
